# Allegro board rt1064_som.brd (continued)
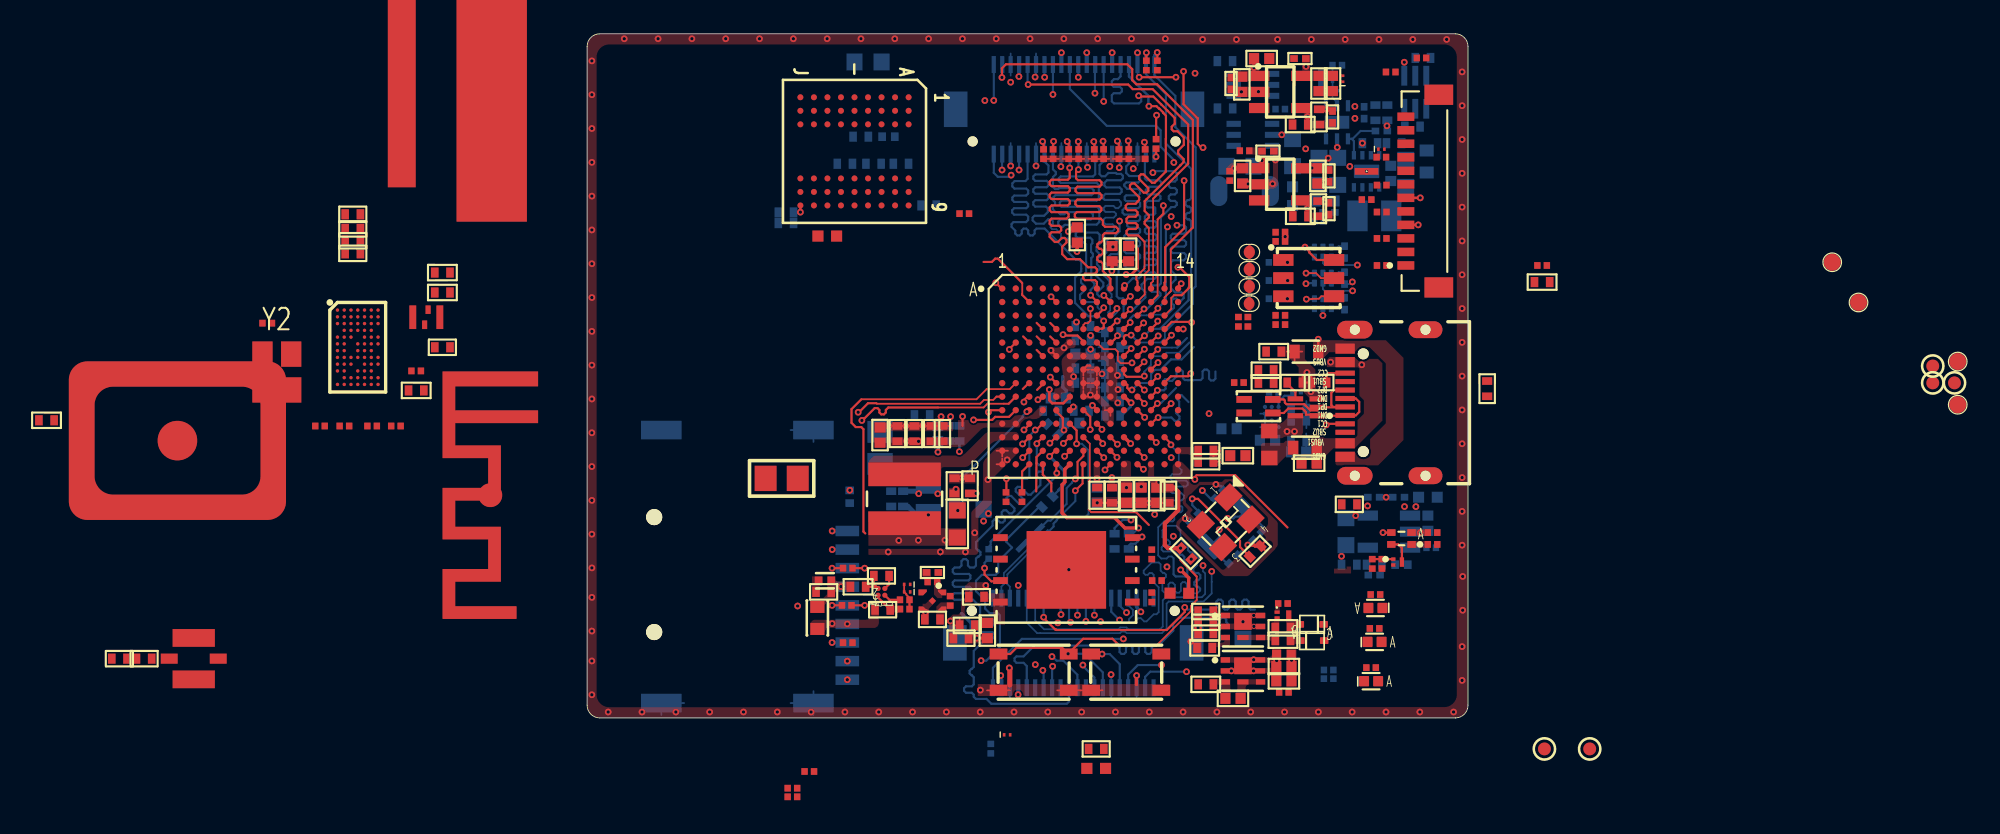
[diagram p0: board, top side]
## Routing (per net, layer and track width the routed paths; a pad name or vN(x,y) marks a point on that pad's centre or on a via; arc(x,y) is an arc through that point) (continued)
DCDC_OUT: length 1.8
  BOTTOM w0.15: 20.04,11.87 v1(20.18,12.01)
  BOTTOM w0.3: C67.1 18.97,12.51 19.61,11.87 20.04,11.87
  vias: v1(18.43,10.5) v1(19.59,10.51) v1(21.16,10.52)
DCDC_PSWITCH: length 5.7
  TOP w0.127: v1(26.01,18.12) 26.09,18.21 U3.K3
  BOTTOM w0.127: v1(22.18,14.21) 25.76,17.79 25.76,17.87 v1(26.01,18.12)
EN: length 1.3
  BOTTOM w0.127: U11.A1 40.89,18.71 41.24,19.06 41.71,19.06
ENET_INT: length 6.8
  SIG1 w0.127: 37.83,5.35 35.45,2.96 v1(35.45,2.74)
  BOTTOM w0.127: v1(35.45,2.74) 33.31,2.74 33,2.43 J6.38
FB_U4:
  vias: v1(42.61,35.58)
FLASH_D3: length 2.2
  TOP w0.127: U20.7 24.41,8.08 23.91,8.08 23.5,8.48 v1(23.5,8.86)
  BOTTOM w0.127: R104.1 23.5,9.17 v1(23.5,8.86) 23.53,8.83
FLASH_V: length 0.2
  TOP w0.15: 24.42,6.81 24.19,6.81
FLASH_VCC: length 4
  TOP w0.127: 35.2,8.66 v1(35.1,8.76)
  TOP w0.2: R97.1 35.58,8.28 35.2,8.66 ; FB8.2 v1(23.04,4.72)
  BOTTOM w0.2: v1(23.04,4.72) 22.71,5.04 22.71,5.61 22.15,6.17
FLEXSPI_CLK: length 5.8
  TOP w0.127: R105.1 24.81,13.4 24.8,13.41 v1(24.8,14.15) ; U3.L4 26.93,17.41 26.58,17.06 26.52,17.06 v1(26.5,17.03)
  SIG1 w0.127: v1(26.5,17.03) 26.52,17.06 26.54,17.06
  BOTTOM w0.127: v1(24.8,14.15) 26.03,14.15 26.15,14.28 26.15,16.69 v1(26.5,17.03)
FLEXSPI_DATA0: length 1.8
  TOP w0.127: 25.73,13.39 25.72,13.4 ; 25.73,13.39 R100.2 ; 25.73,13.39 25.73,14.58 U3.P3
FLEXSPI_DATA1: length 2.6
  TOP w0.127: U3.N4 26.57,15.43 26.57,15.06 26.56,13.4
FLEXSPI_DATA2: length 1.8
  TOP w0.127: 27.45,13.4 27.45,13.89 26.95,14.4 U3.P4
FLEXSPI_DATA3: length 6.7
  TOP w0.127: v1(27.78,14.48) 27.75,14.51 U3.P5
  BOTTOM w0.127: R104.2 23.75,10.12 23.87,10.24 23.87,10.43 27.78,14.34 v1(27.78,14.48)
FLEXSPI_SS0: length 16.4
  TOP w0.127: v1(25.84,17.04) 25.86,17.06 25.86,17.06 26.15,17.35 U3.L3 ; 34.26,8.9 v1(34.29,8.94)
  SIG1 w0.127: v1(34.29,8.94) 30.97,8.94 30.84,9.07 30.84,12.58 30.56,12.87 30.56,12.89 30.33,13.12 30.31,13.12 29.72,13.71 29.72,16.48 28.75,17.45 26.22,17.45 25.84,17.06 v1(25.84,17.04)
GPIO_AD_B0_00: length 2.4
  BOTTOM w0.102: v1(45.55,26.79) 43.63,26.79 43.52,26.91 U21.2
GPIO_AD_B0_03: length 24
  TOP w0.127: v1(32.94,21.07) 32.55,20.67 U3.G11
  SIG1 w0.127: 43.36,20.76 43.36,22 43.61,22.25 43.61,22.71 44.12,23.23 44.12,23.73 43.93,23.92 43.6,23.92 42.14,22.46 39.09,22.46 38.85,22.7 38.85,24.74 38.87,24.75 38.88,24.75 39.11,24.98 39.11,25.31 38.88,25.53 38.56,25.53 38.33,25.31 38.33,24.95 37.48,24.1 37.48,22.63 36.98,22.14 35.26,22.14 35.25,22.13 34.85,22.13 34.13,21.42 33.29,21.42 v1(32.94,21.07)
  BOTTOM w0.102: v1(45.27,25.27) 43.61,25.27 43.52,25.37 U22.2
GPIO_AD_B0_04: length 0.6
  TOP w0.127: U3.F11 v1(32.96,21.81)
  SIG1 w0.127: 33,21.81 v1(32.96,21.81)
GPIO_AD_B1_04: length 21.9
  TOP w0.127: v1(33.77,17.77) 33.73,17.77 33.38,17.43 33.37,17.43 U3.L12 ; v1(27,5.96) 27,5.91 27.68,5.23 27.72,5.23 27.75,5.2 34.28,5.2 35.34,6.27 v1(35.34,6.54)
  BOTTOM w0.127: v1(33.77,17.77) 34.56,17.77 34.76,17.57 34.92,17.57 35.03,17.68 35.03,17.84 34.83,18.04 34.83,18.2 35.01,18.38 35.01,18.73 34.88,18.87 34.88,18.99 34.99,19.1 35.15,19.1 35.57,18.69 ; J6.13 v1(27,5.96) ; v1(35.34,6.54) 35.4,6.49 35.42,6.49 35.5,6.41 37.11,6.41 37.22,6.52 37.22,6.89 37.33,7 37.49,7 37.6,6.89 37.6,6.52 37.71,6.41 37.87,6.41 37.98,6.52 37.98,6.89 38.09,7 38.25,7 38.36,6.89 38.36,6.52 38.47,6.41 38.63,6.41 38.74,6.52 38.74,6.89 38.85,7 39.01,7 39.12,6.89 39.12,6.52 39.23,6.41 39.49,6.41
GPIO_AD_B1_05: length 16.1
  TOP w0.127: U3.K12 33.35,18.23 33.73,18.6 v1(33.73,18.6)
  SIG1 w0.127: 39.17,9.85 37.6,8.29 31.62,8.29 31.51,8.4 31.13,8.4 31.02,8.29 29.68,8.29 28.03,6.64 v1(28.03,6.12)
  BOTTOM w0.127: J6.17 28,6.4 28.02,6.38 28.02,6.12 v1(28.03,6.12) ; 34.83,19.52 33.95,18.64 33.75,18.64 33.73,18.62 v1(33.73,18.6)
GPIO_AD_B1_06: length 30.7
  TOP w0.127: v1(33.73,19.38) U3.J12
  SIG1 w0.127: 40.6,16.7 40.6,16.62 40.78,16.44 40.78,16.28 40.67,16.17 40.5,16.17 40.39,16.06 40.39,15.9 40.5,15.79 40.67,15.79 40.78,15.68 40.78,15.62 40.72,15.56 40.72,15.46 40.6,15.34 40.6,15.09 40.72,14.98 40.72,14.69 40.67,14.64 40.5,14.64 40.39,14.53 40.39,14.37 40.5,14.26 40.67,14.26 40.78,14.15 40.78,13.99 40.58,13.79 40.58,13.59 40.78,13.39 40.78,13.23 40.67,13.12 40.5,13.12 40.39,13.01 40.39,12.85 40.5,12.74 40.67,12.74 40.78,12.63 40.78,12.47 40.56,12.25 40.56,12.09 40.78,11.87 40.78,11.71 40.67,11.6 40.5,11.6 40.39,11.48 40.39,11.33 40.5,11.22 40.52,11.22 40.65,11.09 40.65,10.91 37.77,8.03 29.81,8.03 29,7.21 v1(29,6.08)
  BOTTOM w0.127: 37.16,20.5 37.16,20.08 37.05,19.96 36.89,19.96 36.78,20.08 36.78,20.5 36.67,20.61 36.51,20.61 36.4,20.5 36.4,20.1 36.29,19.99 35.87,19.99 35.86,19.98 35.54,19.98 35.53,19.99 35.35,19.99 35.24,20.1 35.24,20.49 35.13,20.6 34.97,20.6 34.86,20.49 34.86,20.2 34.6,19.94 34.44,19.94 34.34,20.04 34.18,20.04 34.07,19.93 34.07,19.77 34.21,19.63 34.21,19.47 34.12,19.38 v1(33.73,19.38) ; J6.21 v1(29,6.08)
GPIO_AD_B1_07: length 22.8
  SIG1 w0.12: 29.81,7.38 29.95,7.24 30.06,7.24 30.11,7.18 30.11,7.04 30,6.93 29.8,6.93
  SIG1 w0.127: 29.81,7.38 29.81,7.52 29.94,7.66 30.08,7.66 30.24,7.5 30.47,7.5 30.69,7.71 37.95,7.71 41.04,10.81 41.04,13.06 41.05,13.07 41.05,14.68 40.95,14.78 40.95,15.46 41.05,15.56 41.05,16.87 ; v1(30,6.08) 30,6.38 30,6.38 29.9,6.47 29.45,6.47 29.29,6.64 29.29,6.83 29.39,6.93 29.8,6.93
  BOTTOM w0.127: J6.25 v1(30,6.08)
GPIO_AD_B1_08: length 29.8
  TOP w0.127: U3.H13 34.15,19.84 34.52,20.21 35.54,20.21 v1(35.7,20.37)
  SIG1 w0.127: 41.62,14.75 41.65,14.72 41.65,10.5 38.23,7.08 33.91,7.08 33.75,6.92 33.75,6.46 34.39,5.82 34.39,5.6 34.27,5.49 34.19,5.49 34.08,5.37 34.08,5.23 33.84,4.99 33.65,4.99 33.54,5.1 33.54,5.25 33.43,5.36 33.27,5.36 33.16,5.25 33.16,5.1 33.05,4.99 32.71,4.99 32.61,5.09 32.61,5.43 33.32,6.14 33.32,6.96 33.17,7.11 32.86,7.11 32.66,6.91 32.46,6.91 32.26,7.11 31.66,7.11 31.51,6.95 31.51,6.77 31.65,6.63 32.06,6.63 32.29,6.4 32.29,5.85 32.12,5.68 32.12,5.5 32.29,5.33 32.29,5.2 32.16,5.07 31.41,5.07 31.18,5.3 31.18,5.48 v1(31.49,5.79)
  BOTTOM w0.127: v1(31.49,5.79) 31,6.28 J6.29
GPIO_AD_B1_09: length 40.9
  TOP w0.127: U3.M13 34.15,16.61 34.53,16.23 v1(34.53,16.16)
  BOTTOM w0.102: 35.09,10.6 35.09,11.11 34.84,11.37 34.3,11.37 34.03,11.1 34.03,10.7 34.18,10.55 34.33,10.55 34.46,10.42 34.46,10.28 34.37,10.19 34.08,10.19 33.98,10.09 33.98,9.95 34.08,9.85 34.74,9.85 ; J6.33 32.02,7.06 32.02,6.65 32.28,6.39 32.28,6.08 32.05,5.85 32.05,5.71 32.15,5.61 32.32,5.61 32.61,5.9 32.75,5.9 32.94,5.71 33.09,5.71 33.51,6.13 33.68,6.13 33.8,6.26 33.8,7.73 33.42,8.11 33.42,8.24 33.51,8.32 33.51,8.47 33.41,8.57 33.26,8.57 33.16,8.47 33.02,8.47 32.92,8.57 32.92,8.71 33.39,9.19 33.81,9.19 33.92,9.09 33.92,8.72 34.05,8.58 34.13,8.58 34.23,8.48 34.23,8.34 34.13,8.24 34.01,8.24 33.92,8.15 33.92,8.07 34.02,7.96 34.02,7.53 34.14,7.42 34.28,7.42 34.38,7.52 34.38,7.9 34.48,8.01 34.63,8.01 34.77,7.87 34.77,7.51 34.87,7.41 35.01,7.41 35.12,7.51 35.12,7.93 35.22,8.03 35.36,8.03 35.46,7.93 35.46,7.52 35.62,7.37 36.09,7.37 36.25,7.54 ; 34.68,9.45 34.58,9.55 34.39,9.55 34.27,9.43 33.96,9.43 33.77,9.61 33.77,11.28 34.12,11.63 34.63,11.63 34.73,11.73 34.73,12.06 34.83,12.16 35.11,12.16 35.21,12.26 35.21,12.47 35.15,12.52 34.61,12.52 34.51,12.62 34.51,12.77 34.61,12.87 35.15,12.87 35.29,13.01 35.29,13.15 35.15,13.29 34.62,13.29 34.51,13.39 34.51,13.55 34.65,13.69 35.28,13.69 35.28,13.69 35.42,13.69 35.52,13.8 35.52,13.94 35.42,14.04 34.6,14.04 34.5,14.14 34.5,14.31 34.6,14.41 35.04,14.41 35.16,14.53 35.16,14.67 34.99,14.84 34.99,14.98 34.99,14.98 34.99,15.65 34.53,16.11
  BOTTOM w0.127: v1(34.53,16.16) 34.53,16.11 ; 35.09,10.6 35.53,10.16 35.53,9.93 35.67,9.8 35.88,9.8 36.19,9.48 36.19,9.3 36.15,9.27 36.15,9.26 36.06,9.17 36.06,9.05 35.85,8.83 35.85,8.68 35.95,8.58 36.14,8.58 36.27,8.45 36.27,8.27 36.14,8.14 36.03,8.14 35.92,8.03 35.92,7.87 36.03,7.76 36.14,7.76 36.25,7.65 36.25,7.54 ; 34.68,9.45 34.68,8.5 34.81,8.37 35.37,8.37 35.49,8.5 35.49,8.92 35.48,8.93 35.48,9.08 35.34,9.23 35.34,9.26 35.32,9.28 35.32,9.53 35.19,9.65 34.94,9.65 34.74,9.85
GPIO_AD_B1_12: length 27.2
  TOP w0.127: v1(33.75,20.2) U3.H12
  SIG1 w0.127: 41.93,14.76 41.93,10.29 38.46,6.82 38.43,6.85 37.79,6.85 37.72,6.77 36.24,6.77 34.15,4.68 v1(31.71,4.68)
  BOTTOM w0.127: v1(31.71,4.68) 25.71,4.68 24,2.96 J6.2
GPIO_AD_B1_13: length 29.9
  TOP w0.127: U3.H11 v1(32.96,19.4)
  SIG1 w0.127: 41.34,16.84 41.34,15.53 41.17,15.37 41.17,14.87 41.34,14.71 41.34,10.65 38.06,7.38 38.03,7.38 38.03,7.38 35.39,7.38 35.39,7.37 32.09,7.37 32.08,7.37 31.36,7.37 30.88,6.88 30.88,3.62 29.62,2.37 24.6,2.37 v1(24.46,2.51)
  BOTTOM w0.127: v1(24.46,2.51) 24.5,2.47 J6.4
GPIO_AD_B1_14: length 28
  TOP w0.127: v1(33.76,21.02) U3.G12
  SIG1 w0.127: 42.24,16.98 42.24,15.49 42.36,15.37 42.36,14.87 42.24,14.75 42.24,10.15 38.58,6.49 38.47,6.49 38.34,6.62 37.89,6.62 37.76,6.49 36.38,6.49 34.27,4.38 33.45,4.38 30.44,1.38 v1(25.49,1.38)
GPIO_AD_B1_15: length 19
  BOTTOM w0.127: 37.89,5.59 37.8,5.68 37.8,5.82 37.69,5.93 37.53,5.93 37.42,5.82 37.42,5.66 37.31,5.55 37.15,5.55 37.04,5.66 37.04,5.82 36.93,5.93 35.04,5.93 34.67,5.56 34.67,5.16 33.78,4.28 33.51,4.28 33.39,4.17 33.39,3.9 33.28,3.79 33.12,3.79 33.01,3.9 33.01,4.17 32.9,4.28 32.74,4.28 32.63,4.17 32.63,3.9 32.52,3.79 32.36,3.79 32.25,3.9 32.25,4.17 32.14,4.28 31.98,4.28 31.87,4.17 31.87,3.9 31.76,3.79 31.6,3.79 31.49,3.9 31.49,4.17 31.38,4.28 26.45,4.28 25.81,3.64 25.39,3.64 25.28,3.53 25.28,3.37 25.39,3.26 25.81,3.26 26,3.07 J6.10
GPIO_B0_00: length 21.5
  TOP w0.102: v1(29.77,24.21) 29.77,23.51 29.61,23.35 29.45,23.35 29.35,23.25 29.35,23.04
  TOP w0.127: U3.D7 29.35,23.04
  SIG1 w0.127: v1(25.08,32.11) 25.31,31.87 25.31,31.63 25.08,31.4 25.08,30.96 25.17,30.87 25.32,30.87 25.79,31.33 25.95,31.33 26.06,31.22 26.06,31.07 25.59,30.6 25.59,30.44 25.71,30.33 25.86,30.33 26.33,30.8 26.49,30.8 26.6,30.68 26.6,30.53 26.13,30.06 26.13,29.9 26.25,29.79 26.4,29.79 26.87,30.26 27.03,30.26 27.14,30.15 27.14,29.99 26.67,29.52 26.67,29.36 26.78,29.25 26.94,29.25 27.41,29.72 27.57,29.72 27.68,29.61 27.68,29.45 27.21,28.98 27.21,28.82 27.41,28.63 27.56,28.63 27.74,28.81 27.88,28.81 28.01,28.68 28.01,28.33 28.19,28.15 28.53,28.15 28.53,28.17 28.75,28.39 29.17,28.39 29.36,28.2 29.36,25.45 29.22,25.31 29.2,25.31 29.09,25.2 29.09,24.95 29.77,24.27 v1(29.77,24.21)
  BOTTOM w0.127: J5.39 24.05,32.25 24.29,32.01 24.98,32.01 v1(25.08,32.11)
GPIO_B0_01: length 23.6
  TOP w0.127: U3.E7 29.35,22.27 29,22.62 28.2,22.62 v1(28.15,22.68)
  SIG1 w0.127: v1(24.54,32.42) 24.54,30.89 24.7,30.73 24.7,30.4 24.33,30.03 24.33,29.87 24.45,29.76 24.6,29.76 25.05,30.21 25.21,30.21 25.32,30.1 25.32,29.94 24.87,29.49 24.87,29.33 24.98,29.22 25.14,29.22 25.59,29.67 25.75,29.67 25.86,29.56 25.86,29.4 25.41,28.95 25.41,28.8 25.52,28.68 25.68,28.68 26.13,29.14 26.29,29.14 26.4,29.02 26.4,28.87 25.95,28.41 25.95,28.26 26.06,28.14 26.22,28.14 26.67,28.6 26.83,28.6 26.94,28.48 26.94,28.33 26.49,27.88 26.49,27.72 26.6,27.61 26.76,27.61 27.21,28.06 27.37,28.06 27.48,27.95 27.48,27.79 27.03,27.34 27.03,27.18 27.14,27.07 27.3,27.07 27.75,27.52 27.91,27.52 28.85,26.58 28.85,24.66 29.33,24.18 29.33,23.26 28.75,22.68 v1(28.15,22.68)
  BOTTOM w0.127: J5.37 24.54,33.35 v1(24.54,32.42)
GPIO_B0_02: length 21.5
  TOP w0.102: U3.E8 30.54,21.81 31.24,21.81 31.39,21.67 31.39,21.15 31.55,20.98 32.2,20.98 v1(32.22,21.01)
  SIG1 w0.127: v1(25.55,32.42) 25.63,32.42 29.8,28.25 29.8,26.43 29.91,26.32 30.04,26.32 30.15,26.2 30.15,26.05 30.04,25.93 29.91,25.93 29.8,25.82 29.8,25.7 30.17,25.32 30.17,24.85 30.16,24.84 30.16,23.89 29.88,23.6 29.88,23.34 30.46,22.76 30.46,22.6 30.19,22.34 30.19,22.18 30.31,22.07 30.46,22.07 30.73,22.33 30.88,22.33 31,22.22 31,22.06 30.73,21.8 30.73,21.64 30.84,21.53 31,21.53 31.26,21.79 31.42,21.79 31.53,21.68 31.53,21.52 31.27,21.26 31.27,21.1 31.38,20.99 31.54,20.99 31.8,21.25 31.98,21.25 v1(32.22,21.01)
  BOTTOM w0.127: J5.33 25.55,33.35 v1(25.55,32.42)
GPIO_B0_03: length 21.5
  TOP w0.127: U3.D8 30.17,23.03 30.48,23.03 30.55,23.1 v1(30.55,23.49)
  BOTTOM w0.127: J5.31 26.05,31.89 25.92,31.76 25.29,31.76 25.15,31.62 25.15,31.44 25.27,31.32 25.97,31.32 26.08,31.2 26.08,31.02 25.97,30.91 25.26,30.91 25.15,30.8 25.15,30.64 25.26,30.53 25.97,30.53 26.08,30.41 26.08,30.27 25.97,30.16 25.25,30.16 25.14,30.04 25.14,29.89 25.25,29.77 25.97,29.77 26.08,29.66 26.08,29.46 25.96,29.33 25.21,29.33 25.1,29.22 25.1,29.05 25.32,28.83 25.32,28.66 25.43,28.54 25.59,28.54 25.7,28.66 25.7,28.84 25.82,28.95 25.97,28.95 26.08,28.84 26.08,28.66 26.2,28.54 26.35,28.54 26.47,28.66 26.47,28.84 26.58,28.95 27.06,28.95 28.89,27.12 29.1,27.12 29.22,26.99 29.22,26.58 29.22,26.57 29.22,26.42 28.86,26.06 28.86,24.56 29.65,23.76 30.27,23.76 v1(30.55,23.49)
GPIO_B0_04: length 21.5
  TOP w0.127: 26.94,34.15 v1(26.94,34.1) 26.99,34.05 R60.2 ; U3.C8 30.55,24.21 v1(30.55,24.27)
  BOTTOM w0.102: 30.2,24.48 30.2,24.45 30.19,24.44 30.19,24.29 30.31,24.17 30.45,24.17 v1(30.55,24.27) ; 28.71,27.88 28.6,27.88 28.5,27.98 28.5,28.27 28.4,28.37 28.11,28.37 28.02,28.46 28.02,28.63 27.74,28.91 27.51,28.91 27.41,29.01 27.41,29.12 27.51,29.22 27.54,29.22
  BOTTOM w0.11: 27.54,29.22 27.54,29.4 27.44,29.49
  BOTTOM w0.127: 28.71,27.88 28.96,28.13 29.38,28.13 29.51,28.01 29.51,26.23 29.21,25.93 29.21,25.75 29.45,25.51 29.45,25.33 29.15,25.03 29.15,24.78 29.33,24.6 30.07,24.6 30.2,24.48 ; 27.44,29.49 27.26,29.49 27,29.24 26.55,29.24 26.35,29.44 26.35,29.6 26.46,29.71 27.03,29.71 27.25,29.93 27.25,30.15 27.15,30.25 26.5,30.25 26.39,30.36 26.39,30.52 26.5,30.63 27.17,30.63 27.29,30.74 27.29,30.9 27.17,31.01 26.5,31.01 26.39,31.12 26.39,31.28 26.5,31.39 27.17,31.39 27.29,31.5 27.29,31.66 27.17,31.77 26.5,31.77 26.39,31.89 26.39,32.04 26.5,32.15 27.17,32.15 27.29,32.27 27.29,32.68 27.05,32.92 J5.27 27.05,33.99 v1(26.94,34.1)
GPIO_B0_05: length 21.5
  TOP w0.127: v1(29.78,25.01) 30.15,24.63 U3.B8 ; R61.2 27.56,34.08 v1(27.59,34.11)
  BOTTOM w0.127: v1(29.78,25.01) 29.78,25.32 30,25.54 30,25.7 29.82,25.89 29.82,27.21 29.91,27.3 29.91,27.47 29.8,27.57 29.8,28 29.88,28.08 29.88,28.28 29.75,28.41 29,28.41 28.9,28.52 28.9,28.67 29.01,28.78 29.01,29.04 28.89,29.17 28.63,29.17 28.62,29.17 28.3,29.17 28.29,29.17 28.24,29.17 28.14,29.07 27.98,29.07 27.86,29.18 27.86,29.36 27.99,29.49 29.79,29.49 29.92,29.62 29.92,29.8 29.79,29.92 28.35,29.92 28.22,29.8 27.99,29.8 27.87,29.92 27.87,29.92 27.71,29.92 27.54,30.09 27.54,30.25 27.68,30.38 27.68,30.51 27.57,30.62 27.57,30.8 27.7,30.93 29.83,30.93 29.95,31.05 29.95,31.23 29.84,31.34 27.92,31.34 27.86,31.29 27.68,31.29 27.55,31.42 27.55,32 27.55,32 27.72,32.16 27.72,32.29 27.55,32.46 J5.25 27.55,34.07 v1(27.59,34.11)
GPIO_B0_06: length 21.7
  TOP w0.127: U3.A8 30.15,25.79 30.04,25.9 29.44,25.9 29.33,26.01 29.33,26.17 29.44,26.28 30.04,26.28 30.15,26.39 30.15,26.55 30.04,26.66 29.62,26.66 29.15,27.14 28.39,27.14 28.1,27.44 28.1,27.87 28.35,28.13 28.35,28.29 28.24,28.4 28.08,28.4 27.84,28.16 27.66,28.16 27.36,28.46 27.36,28.62 27.47,28.73 27.92,28.73 28.04,28.85 28.04,29 27.92,29.12 27.47,29.12 27.36,29.23 27.36,29.43 27.47,29.54 28.36,29.54 28.47,29.65 28.47,29.81 28.36,29.92 27.47,29.92 27.36,30.04 27.36,30.21 27.47,30.32 28.43,30.32 28.54,30.43 28.54,30.59 28.43,30.7 27.47,30.7 27.36,30.81 27.36,30.97 27.47,31.08 28.43,31.08 28.54,31.19 28.54,31.35 28.43,31.46 27.47,31.46 27.36,31.57 27.36,31.73 27.47,31.84 28.43,31.84 28.54,31.95 v1(28.54,32.54) ; v1(28.39,34.1) 28.48,34.01 R62.2
  BOTTOM w0.127: v1(28.54,32.54) 28.54,32.54 28.54,33.35 J5.21 28.55,33.94 v1(28.39,34.1)
GPIO_B0_07: length 21.7
  TOP w0.127: v1(29.05,34.1) 29.07,34.08 R63.2 ; v1(29.06,32.44) 29.04,32.44 28.92,32.31 28.92,31.92 29.03,31.81 30.31,31.81 30.42,31.7 30.42,31.54 30.31,31.43 29,31.43 28.89,31.32 28.89,31.16 29,31.05 30.31,31.05 30.42,30.94 30.42,30.78 30.31,30.67 29,30.67 28.88,30.55 28.88,30.39 28.99,30.28 30.3,30.28 30.41,30.16 30.41,30.03 30.31,29.93 28.96,29.93 28.84,29.81 28.84,29.65 28.96,29.54 30.38,29.54 30.5,29.41 30.5,29.19 30.63,29.06 31.27,29.06 31.41,28.93 31.41,28.8 31.28,28.68 30.61,28.68 30.5,28.57 30.5,28.25 30.39,28.14 30.29,28.14 30.18,28.02 30.18,27.87 30.29,27.75 30.39,27.75 30.5,27.64 30.5,27.49 30.39,27.37 30.29,27.37 30.18,27.26 30.18,27.1 30.29,26.99 30.39,26.99 30.5,26.88 30.5,26.44 30.64,26.3 30.64,26.29 30.95,25.98 U3.A9
  BOTTOM w0.127: v1(29.06,32.44) 29.06,33.35 J5.19 v1(29.05,34.1)
GPIO_B0_08: length 21.5
  TOP w0.127: v1(30.56,25) 30.58,25 30.95,24.63 U3.B9 ; R64.2 30,34.07 v1(29.97,34.1)
  BOTTOM w0.127: v1(30.56,25) 30.5,24.94 30.3,24.94 30.17,25.06 30.17,25.18 30.53,25.54 30.53,25.74 30.1,26.17 30.1,26.35 30.31,26.55 30.31,26.68 30.15,26.84 30.15,27.13 30.31,27.28 30.31,27.44 30.13,27.63 30.13,27.86 30.31,28.05 30.31,28.59 30.19,28.71 29.45,28.71 29.32,28.84 29.32,29.07 29.44,29.19 30.14,29.19 30.29,29.34 30.29,30.11 30.16,30.24 28.06,30.24 27.96,30.34 27.96,30.5 28.07,30.61 30.14,30.61 30.26,30.74 30.26,31.53 30.14,31.65 28.01,31.65 27.9,31.77 27.9,31.92 28.01,32.04 29.92,32.04 30.05,32.16 J5.15 30.05,33.96 29.97,34.05 v1(29.97,34.1)
GPIO_B0_09: length 21.5
  TOP w0.127: v1(30.51,34.12) 30.55,34.09 R65.2 ; U3.C9 31.33,24.19 v1(31.33,24.23)
  BOTTOM w0.102: 31.08,28.8 31.18,28.9 31.18,29.11 31.08,29.21 30.66,29.21 30.56,29.31 30.56,29.51 30.65,29.6 31.14,29.6 31.28,29.73 31.28,29.84 31.17,29.94 30.93,29.94 ; v1(31.33,24.23) 31.33,24 31.19,23.86 31.17,23.86 31.06,23.74 30.92,23.74 30.81,23.85 30.81,23.99 30.93,24.11 30.93,24.42 30.81,24.54 30.81,24.68 31.02,24.89 31.02,25.07 30.77,25.32 30.77,25.58 30.88,25.69
  BOTTOM w0.11: 31.08,28.8 30.74,28.8 30.58,28.64 ; 31.45,30.65 31.54,30.55 31.54,30.51 31.58,30.47 31.58,30.33 31.41,30.16 31.26,30.16 31.13,30.29 30.67,30.29 30.56,30.18 30.56,30.04 30.66,29.94 30.93,29.94 ; 30.88,25.87 30.88,25.69
  BOTTOM w0.113: 30.58,28.64 30.58,28.47
  BOTTOM w0.114: 30.58,28.47 30.76,28.29
  BOTTOM w0.12: 30.56,26.18 30.88,25.87
  BOTTOM w0.127: 30.56,26.18 30.56,26.53 30.73,26.7 30.73,26.84 30.58,26.99 30.58,27.41 30.71,27.54 30.71,27.7 30.62,27.79 30.62,27.97 30.76,28.11 30.76,28.29 ; v1(30.51,34.12) 30.55,34.08 J5.13 30.55,32.95 30.3,32.71 30.3,32.17 30.43,32.05 30.64,32.05 30.83,32.24 31.26,32.24 31.32,32.19 31.58,32.19 31.68,32.08 31.68,31.92 31.57,31.81 30.75,31.81 30.59,31.65 30.59,31.5 30.7,31.38 31.5,31.38 31.61,31.27 31.61,31.11 31.5,31 30.66,31 30.53,30.88 30.53,30.73 30.61,30.65 31.45,30.65
GPIO_B0_10: length 23
  TOP w0.127: R66.2 31.45,34.04 v1(31.36,34.13) ; U3.D9 30.95,23.1 31.33,23.48 v1(31.35,23.48)
  SIG1 w0.127: v1(31.49,29.39) 31.43,29.46 31.2,29.46 29.63,31.03 29.63,31.33 29.91,31.61 30.09,31.61 30.25,31.44 30.41,31.44 30.42,31.45 30.58,31.45 30.69,31.34 30.69,31.18 30.68,31.17 30.68,31.01 30.79,30.9 30.95,30.9 30.96,30.91 31.12,30.91 31.23,30.8 31.23,30.64 31.22,30.63 31.22,30.48 31.33,30.36 31.49,30.36 31.5,30.37 31.66,30.37 31.77,30.26 31.77,30.1 31.76,30.09 31.76,29.94 31.87,29.82 32.03,29.82 32.04,29.83 32.2,29.83 32.31,29.72 32.31,29.57 32.3,29.56 32.3,29.4 32.54,29.16 32.72,29.16 33.06,29.49 33.06,29.67 31.09,31.64 31.09,32.05 31.44,32.4 31.44,32.52 v1(31.47,32.55)
  BOTTOM w0.127: v1(31.47,32.55) 31.47,32.7 31.51,32.75 31.51,33.18 31.55,33.22 J5.9 31.55,34 31.42,34.13 v1(31.36,34.13) ; v1(31.49,29.39) 31.49,28.79 31.22,28.52 31.22,28.34 31.46,28.11 31.49,28.11 31.49,27.56 31.36,27.44 30.98,27.44 30.85,27.31 30.85,27.09 30.99,26.95 31.21,26.95 31.43,26.73 31.43,26.29 31.32,26.18 31.32,24.95 31.45,24.82 31.7,24.82 31.86,24.66 31.86,24.5 31.72,24.36 31.72,23.81 31.4,23.48 v1(31.35,23.48)
GPIO_B0_11: length 21.4
  TOP w0.127: R67.2 32.04,34.11 v1(32,34.14)
  BOTTOM w0.127: v1(31.79,25.59) 31.84,25.59 32.26,26.01 32.63,26.01 32.76,26.13 32.76,26.3 32.43,26.62 31.9,26.62 31.78,26.75 31.78,26.98 31.9,27.11 32.59,27.11 32.7,27.22 32.7,27.38 32.59,27.49 31.88,27.49 31.77,27.6 31.77,27.76 31.88,27.87 32.59,27.87 32.7,27.98 32.7,28.14 32.59,28.25 31.88,28.25 31.77,28.36 31.77,28.52 31.88,28.63 32.59,28.63 32.7,28.74 32.7,28.9 32.59,29.01 32.05,29.01 31.94,29.12 31.94,29.27 31.94,29.27 32.06,29.39 32.59,29.39 32.7,29.5 32.7,29.66 32.59,29.78 31.78,29.78 31.67,29.89 31.67,30.05 31.78,30.16 32.59,30.16 32.7,30.27 32.7,30.47 32.59,30.58 31.88,30.58 31.8,30.66 31.8,30.83 31.88,30.92 32.59,30.92 32.7,31.03 32.7,31.19 32.59,31.3 31.95,31.3 31.77,31.47 31.77,31.57 31.88,31.68 32.59,31.68 32.7,31.79 32.7,31.95 32.59,32.06 32.06,32.06 31.88,32.24 31.88,32.63 32.05,32.8 J5.7 32.05,34.1 v1(32,34.14)
GPIO_B0_12: length 21.3
  TOP w0.127: R68.2 33,34.02 v1(32.96,34.06) ; v1(32.12,24.17) U3.C10
  BOTTOM w0.127: v1(32.12,24.17) 32.31,24.17 33.01,24.88 33.01,25.19 32.79,25.41 32.79,25.64 33.13,25.97 33.55,25.97 33.67,26.09 33.67,26.24 33.55,26.36 33.06,26.36 32.94,26.48 32.94,26.68 33.05,26.79 33.58,26.79 33.68,26.89 33.68,27.04 33.58,27.14 33.1,27.14 32.99,27.25 32.99,27.41 33.1,27.52 33.58,27.52 33.68,27.61 33.68,27.81 33.58,27.9 33.1,27.9 32.99,28.01 32.99,28.14 33.1,28.25 33.57,28.25 33.68,28.36 33.68,28.52 33.57,28.63 33.1,28.63 32.99,28.74 32.99,28.9 33.1,29.01 33.57,29.01 33.68,29.12 33.68,29.28 33.57,29.39 33.1,29.39 32.99,29.51 32.99,29.66 33.1,29.78 33.53,29.78 33.6,29.85 33.6,30.17 33.57,30.2 33.14,30.2 33.03,30.31 33.03,30.47 33.15,30.59 33.8,30.59 33.91,30.7 33.91,30.86 33.8,30.97 33.15,30.97 33.04,31.08 33.04,31.24 33.23,31.43 33.85,31.43 33.96,31.54 33.96,31.7 33.85,31.81 33.1,31.81 32.99,31.92 32.99,33.29 J5.3 32.99,33.41 32.99,34 32.96,34.04 v1(32.96,34.06)
GPIO_B0_13: length 22.2
  TOP w0.127: U3.D10 31.75,23.03 31.99,23.27 31.99,23.27 32.12,23.4 v1(32.12,23.4) ; v1(33.65,33.2) 33.65,33.21 R69.2
  SIG1 w0.102: v1(33.65,33.2) 33.69,33.16 33.88,33.16
  SIG1 w0.12: 33.88,33.16 33.98,33.06 33.98,32.21
  SIG1 w0.127: v1(34.88,29.15) 34.9,29.15 35.2,29.45 35.2,29.62 34.47,30.35 34.47,30.47 34.24,30.7 34.12,30.7 34.08,30.74 33.71,30.74 33.59,30.86 33.59,31.01 33.79,31.21 33.79,31.37 33.67,31.48 33.52,31.48 33.32,31.28 33.16,31.28 32.95,31.5 32.95,31.74 33.08,31.87 33.7,31.87 33.98,32.15 33.98,32.21
  BOTTOM w0.102: 33.96,23.86 33.35,23.86 33.31,23.82 33.1,23.82 32.78,23.82 32.78,23.82 32.31,23.82
  BOTTOM w0.127: 32.31,23.82 32.12,23.62 v1(32.12,23.4) ; J5.1 33.65,33.26 v1(33.65,33.2) ; v1(34.88,29.15) 35.3,29.15 35.42,29.02 35.42,28.76 35.31,28.65 34.63,28.65 34.52,28.54 34.52,28.38 34.63,28.27 35.31,28.27 35.42,28.15 35.42,28 35.31,27.88 34.63,27.88 34.52,27.77 34.52,27.62 34.63,27.5 35.31,27.5 35.42,27.39 35.42,27.2 35.42,27.2 35.29,27.07 34.65,27.07 34.53,26.96 34.53,26.48 34.8,26.21 34.8,25.93 34.53,25.67 34.53,25.42 34.78,25.17 35.15,25.17 35.28,25.04 35.28,24.84 35.13,24.69 34.97,24.69 34.85,24.81 34.69,24.81 34.58,24.7 34.58,24.54 34.7,24.42 34.7,24.26 34.3,23.86 33.96,23.86
GPIO_B0_14: length 22.3
  TOP w0.127: v1(32.17,22.65) 31.84,22.65 31.75,22.56 U3.E10 ; v1(33.72,39.37) 33.72,39.36 R70.2
  BOTTOM w0.102: 32.61,22.21 33.92,22.21 34.17,22.46 34.17,22.8 34.17,22.81 34.17,22.85
  BOTTOM w0.127: J5.2 33.55,38.04 34.79,36.8 34.79,34.95 35.99,33.75 35.99,25.53 35.83,25.37 35.83,24.51 34.17,22.85 ; v1(32.17,22.65) 32.61,22.21
  BOTTOM w0.15: J5.2 33.55,39.22 33.7,39.37 v1(33.72,39.37)
GPIO_B0_15: length 21.2
  TOP w0.127: v1(33.08,39.36) 33.07,39.35 R71.2 ; U3.E11 32.55,22.23 32.93,22.61 v1(32.96,22.61)
  BOTTOM w0.127: v1(32.96,22.61) 33.37,23.02 33.88,23.02 35.57,24.72 35.57,25.48 35.72,25.63 35.72,29.38 35.61,29.49 35.51,29.49 35.4,29.61 35.4,29.76 35.51,29.88 35.61,29.88 35.72,29.99 35.72,30.14 35.61,30.26 35.51,30.26 35.4,30.37 35.4,30.53 35.51,30.64 35.61,30.64 35.72,30.75 35.72,32.49 34.23,33.98 34.23,36.9 33.05,38.09 J5.4 33.05,39.33 v1(33.08,39.36)
GPIO_B1_00: length 22.2
  TOP w0.102: 32.97,28.17 32.97,26.59 32.48,26.11 32.48,25.93 32.55,25.86 32.55,25.76
  TOP w0.127: U3.A11 32.55,25.76 ; 32.97,28.17 32.59,28.54 32.02,28.54 31.9,28.66 31.9,28.81 32.02,28.92 32.44,28.92 32.55,29.04 32.55,29.16 32.44,29.28 31.97,29.28 31.9,29.34 31.9,29.54 32.02,29.66 32.44,29.66 32.55,29.77 32.55,29.93 32.44,30.04 31.97,30.04 31.86,30.15 31.86,30.31 31.97,30.42 32.44,30.42 32.55,30.53 32.55,30.55 32.65,30.65 32.65,30.8 32.1,31.35 32.1,31.51 32.22,31.62 32.37,31.62 32.92,31.07 33.08,31.07 33.19,31.19 33.19,31.34 32.64,31.89 32.64,32.05 32.76,32.16 32.91,32.16 33.41,31.66 33.57,31.66 34.22,32.32 34.22,34.26 34.23,34.27 34.23,35.63 34.07,35.79 34.07,35.82 33.84,36.05 33.82,36.05 33.68,36.19 v1(33.23,36.19)
  BOTTOM w0.147: J5.8 32.05,37.95 32.25,37.75 32.25,37.74 32.78,37.21 32.79,37.21 33.2,36.8 33.2,36.22 v1(33.23,36.19)
GPIO_B1_01: length 21.6
  TOP w0.102: 32.55,24.63 32.97,25.05 32.97,26.24 33.22,26.49 33.22,28.98
  TOP w0.127: 33.22,28.98 32.97,29.23 32.97,29.36 33.22,29.61 33.22,29.74 32.97,29.99 32.97,30.57 33.1,30.69 33.1,30.7 35.09,32.69 35.09,32.7 35.28,32.89 35.28,33.07 34.96,33.39 34.96,33.57 35.29,33.9 35.29,34.34 34.92,34.71 34.69,34.71 34.58,34.82 34.58,34.98 34.75,35.15 34.75,35.5 34.32,35.92 34.32,35.93 33.95,36.3 33.95,36.3 33.49,36.76 32.67,36.76 v1(32.62,36.81) ; U3.B11 32.55,24.63
  BOTTOM w0.127: v1(32.62,36.81) 32.77,36.66 32.77,36.48 32.64,36.35 31.16,36.35 31.03,36.48 31.03,36.84 31.14,36.96 31.51,36.96 31.63,37.07 31.63,37.22 31.51,37.34 31.14,37.34 31.03,37.45 31.03,37.66 31.16,37.79 31.39,37.79 31.39,37.8 31.55,37.96 J5.10